# Altium PCB vme64x6U_ctrlc.PcbDoc (part 15 of 16)
Units mm, origin at the board's own origin, x right, y up, seen from the top; angles counter-clockwise.
Board outline 440 x 340 mm, 6 copper layers (TopLayer, PlaneGnd, PlanePwr, MidLayer3, MidLayer4, BottomLayer); 407 components, 1301 nets, 2174 pads, 980 vias.
Unrouted connection lines stored in the file: 264.
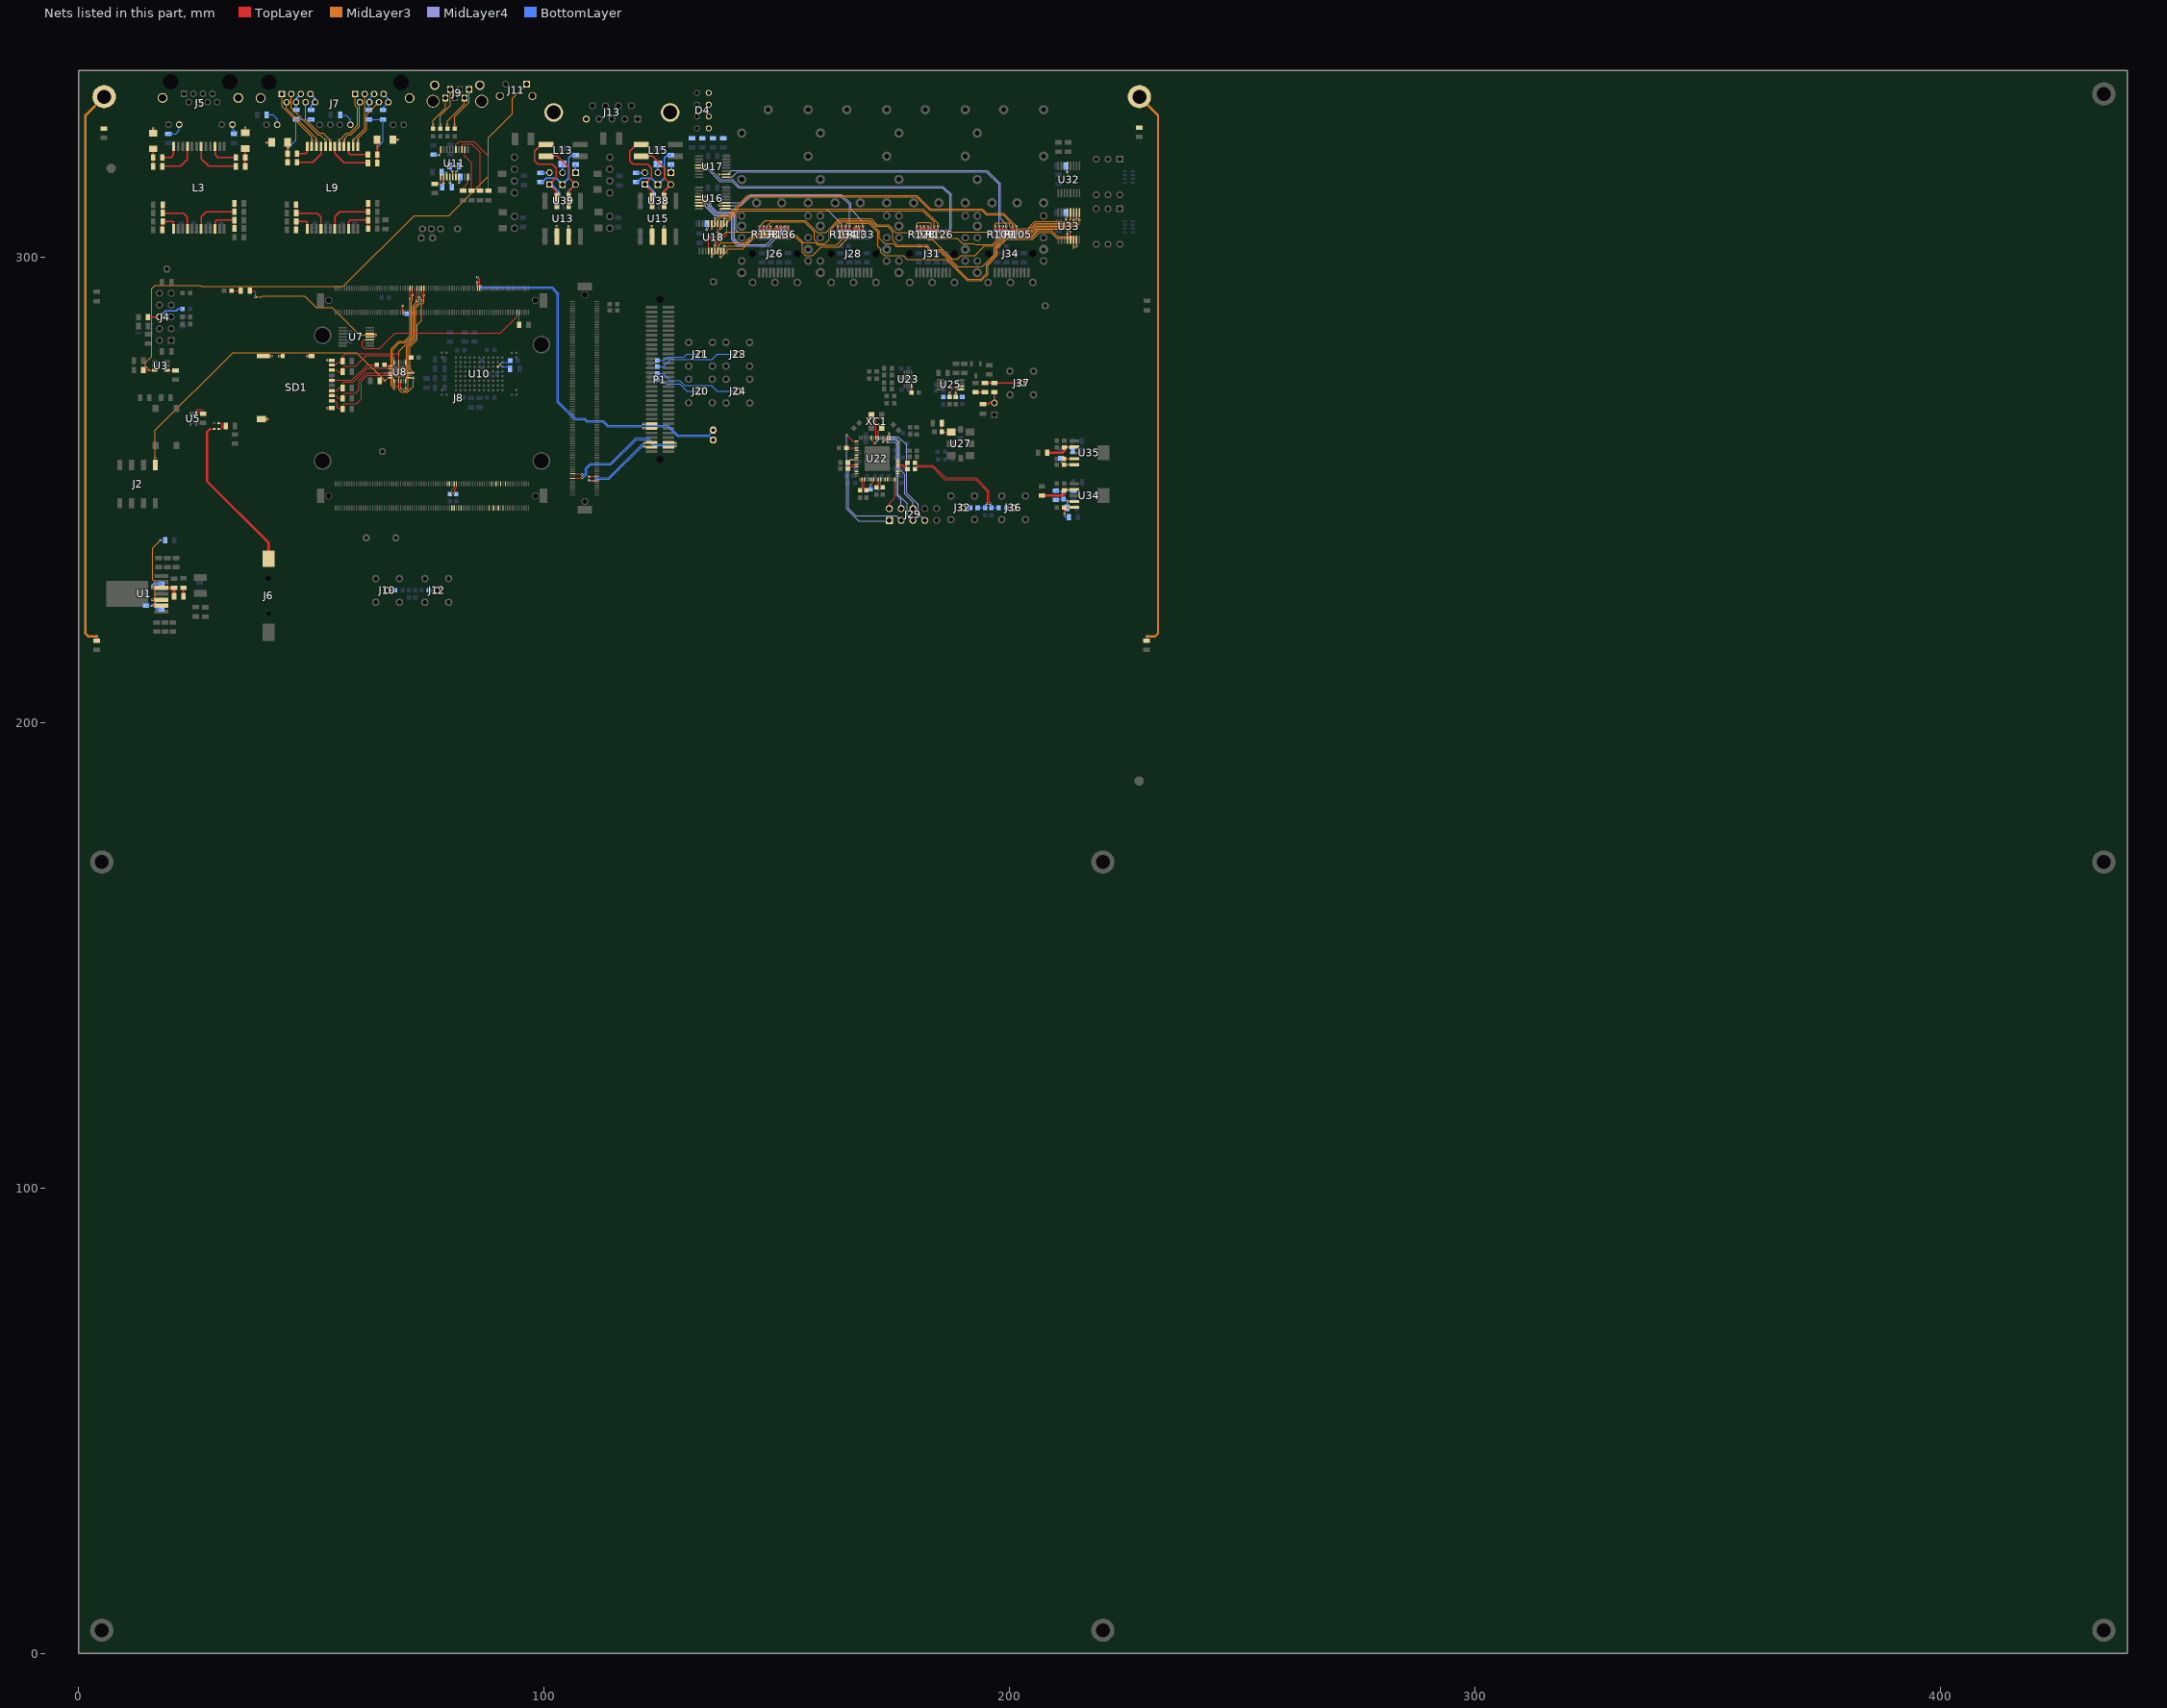
[diagram p19: the nets of this part, all layers, seen from the top]

## Via types
v1: diameter 0.5, hole 0.2, TopLayer to BottomLayer, tented both sides, 980 vias

## Nets (pads, with @x,y where several pads share a name; then routed paths per layer and width w, separated by ;. In a path a pad name is that pad's centre, name@x,y a point inside that pad or via, vN(x,y) a via of type N, cw(c..) or ccw(c..) an arc to the next point about the centre after c; other vN are vias at no path point) (continued)
MGND: C4.1 C22.1 C23.2 C28.1 J5.S1 J5.S2 J7.S1 J7.S2 J9.0 J11.0 J13.5 J13.S1 J13.S2 pad.0@5.5,334.4 pad.0@227.85,334.4 R2.1 R3.1 R79.1 R80.1 | length 245.5
  TopLayer w0.3: R2.1@3.925,217.55 v1(3.925,218.425) ; C4.1@16.035,326.585 v1(16.035,327.685) ; C22.1@35.81,326.635 v1(35.81,327.735) ; v1(40.4,324.575) C23.2@41.5,324.575 ; C28.1@67.535,325.185 v1(68.635,325.185) ; R80.1@229.4,217.55 229.4,218.4 v1(229.425,218.425)
  MidLayer3 w0.5: v1@3.95,218.45 v1(3.925,218.425) 2.175,218.425 1.5,219.1 1.5,330.4 pad.0@5.5,334.4 ; pad.0@227.85,334.4 231.85,330.4 231.85,219.1 231.175,218.425 v1(229.425,218.425)
MGT_RX1_N: J8.B28
MGT_RX1_P: J8.B24
MGT_RX2_N: J8.B36
MGT_RX2_P: J8.B32
MGT_RX6N: J8.B62
MGT_RX6P: J8.B60
MGT_RX7N: J8.B68
MGT_RX7P: J8.B66
MGT_RX8.IO_N: J8.C20 P1.5 | length 28.7
  TopLayer w0.15: J8.C20@106.125,253.4 107.5,253.4 107.665,253.235 v1(108.175,253.235) ; P1.5@126.7,260.15 128.175,260.15 v1(128.327,259.998)
  BottomLayer w0.15: v1(108.175,253.235) 108.348,253.062 108.525,253.062 108.875,253.413 108.875,254.635 109.89,255.65 114.275,255.65 119.7,261.075 122.335,261.075 123.585,259.825 128.153,259.825 v1(128.327,259.998)
MGT_RX8.IO_P: J8.C16 P1.3 | length 28.7
  TopLayer w0.15: J8.C16@106.125,252.4 107.55,252.4 107.715,252.565 v1(108.175,252.565) ; P1.3@126.7,259.15 128.153,259.15 v1(128.327,259.323)
  BottomLayer w0.15: v1(108.175,252.565) 108.348,252.737 108.66,252.737 109.2,253.278 109.2,254.5 110.025,255.325 114.41,255.325 119.835,260.75 122.2,260.75 123.45,259.5 128.15,259.5 v1(128.327,259.323)
MGT_TX1_N: J8.B25
MGT_TX1_P: J8.B21
MGT_TX2_N: J8.B33
MGT_TX2_P: J8.B29
MGT_TX6_N: C185.2 J8.B63 | length 2.3
  TopLayer w0.25: v1(80.773,249.175) 80.65,249.297 80.65,249.761 81.138,250.249 81.138,250.537 81.175,250.575 J8.B63@81.175,251.25
MGT_TX6_P: C188.2 J8.B65 | length 2.4
  TopLayer w0.25: v1(80.103,249.175) 80.225,249.297 80.225,249.938 80.713,250.425 80.713,250.538 80.675,250.575 J8.B65@80.675,251.25
  MidLayer3 w0.25: v1(80.103,249.175) v1@80.186,249.175
MGT_TX7N: J8.B71
MGT_TX7P: J8.B69
MGT_TX8.IO_N: J8.C17 P1.6 | length 18.8
  TopLayer w0.15: v1(109.575,252.735) 109.59,252.75 110,252.75 110.15,252.9 J8.C17@111.325,252.9 ; v1(121.476,259.973) 121.653,260.15 P1.6@123.1,260.15
  BottomLayer w0.15: v1(109.575,252.735) 109.735,252.895 110.73,252.895 111.063,252.562 113.863,252.562 121.1,259.8 121.45,259.8 121.476,259.826 v1(121.476,259.973)
MGT_TX8.IO_P: J8.C13 P1.4 | length 18.8
  TopLayer w0.15: v1(109.575,252.065) 109.59,252.05 110,252.05 110.15,251.9 J8.C13@111.325,251.9 ; v1(121.476,259.298) 121.625,259.15 P1.4@123.1,259.15
  BottomLayer w0.15: v1(109.575,252.065) 109.735,251.905 110.73,251.905 111.063,252.237 113.997,252.237 121.235,259.475 121.45,259.475 121.476,259.449 v1(121.476,259.298)
ModDef_SFP0: J26.6 R138.8 U16.5 | length 27.1
  TopLayer w0.15: U16.5@133.255,312.275 v1(134.45,312.275) v1@134.455,312.275
  TopLayer w0.3: v1(148.68,306.595) 148.68,306.195 148.975,305.9 J26.6@148.975,304.8
  MidLayer4 w0.15: v1(134.45,312.275) 134.9,312.275 135.57,311.605 135.57,310.76 136.845,309.485 140.162,309.485 140.89,308.757 140.89,303.935 141.825,303 143.675,303 145.7,305.025 147.525,305.025 148.68,306.18 v1(148.68,306.595)
  BottomLayer w0.15: R138.8@148.68,305.7 v1(148.68,306.595)
ModDef_SFP1: J28.6 R134.8 U16.10 | length 38.4
  TopLayer w0.15: v1(137.6,310.975) U16.10@138.95,310.975
  TopLayer w0.3: v1(165.555,306.595) 165.555,306.195 165.85,305.9 J28.6@165.85,304.8
  MidLayer4 w0.15: v1(137.6,310.975) 142.4,310.975 144.525,313.1 163.675,313.1 165.555,311.22 v1(165.555,306.595)
  BottomLayer w0.15: R134.8@165.555,305.7 v1(165.555,306.595)
ModDef_SFP2: J31.6 R128.8 U17.5 | length 71.5
  TopLayer w0.15: U17.5@133.255,319.05 v1(134.45,319.05) v1@134.455,319.05
  TopLayer w0.3: v1(182.43,306.595) 182.43,306.195 182.725,305.9 J31.6@182.725,304.8
  MidLayer4 w0.15: v1(134.45,319.05) 134.875,319.05 137.705,316.22 140.392,316.22 141.742,314.87 185.517,314.87 187.15,313.237 187.15,307.138 187.145,307.133 187.145,306.117 186.778,305.75 183.275,305.75 v1(182.43,306.595)
  BottomLayer w0.15: R128.8@182.43,305.7 v1(182.43,306.595)
ModDef_SFP3: J34.6 R109.8 U17.10 | length 75.7
  TopLayer w0.15: v1(137.6,317.75) U17.10@138.95,317.75
  TopLayer w0.3: v1(199.305,306.595) 199.305,306.195 199.6,305.9 J34.6@199.6,304.8
  MidLayer4 w0.15: v1(137.6,317.75) 139.5,317.75 140.32,318.57 195.108,318.57 198.025,315.653 198.025,308.225 199.305,306.945 v1(199.305,306.595)
  BottomLayer w0.15: R109.8@199.305,305.7 v1(199.305,306.595)
MX0: 
MX0_Host2i: 
MX0i: 
MX1: 
MX1_Host2i: 
MX1i: 
MX2: 
MX2_Host2i: 
MX2i: 
NetC2_2: 
NetC4_1: 
NetC4_2: C4.2 R12.1 R13.1 | length 3.8
  TopLayer w0.3: R12.1@16.035,319.435 R13.1@16.035,321.335 16.035,322.885 C4.2@16.26,323.11
NetC5_1: 
NetC5_2: C5.2 L3.1 L7.1@18.06,307.585 | length 5.7
  TopLayer w0.3: C5.2@18.035,305.785 18.035,307.56 L7.1@18.06,307.585 20.275,307.585 20.41,307.45 L3.1@20.41,306
NetC6_2: C6.2 L2.1 L3.4 | length 10
  TopLayer w0.3: C6.2@18.06,311.185 L2.1@18.06,309.385 22.56,309.385 23.38,308.565 L3.4@23.38,306
NetC7_1: 
NetC12_2: 
NetC13_1: C13.1 R17.2 | length 1.8
  TopLayer w0.3: R17.2@22.56,228.935 22.56,227.16 C13.1@22.61,227.11
NetC13_2: C13.2 R16.2 R194.1 U1.5 | length 9.2
  TopLayer w0.5: v1(15.82,228.88) U1.5@17.76,228.88
  TopLayer w0.6: U1.5@17.76,228.88 17.76,228.885 R16.2@20.535,228.885 C13.2@20.535,227.11
  BottomLayer w0.5: v1(15.82,228.88) 15.82,229.445 16.135,229.76 R194.1@17.785,229.76
NetC14_1: C14.1 U3.4 | length 1.8
  TopLayer w0.25: U3.4@19.035,275.635 20.84,275.635 C14.1@20.85,275.625
NetC20_2: C20.2 L3.10 L5.1 | length 7.6
  TopLayer w0.3: L3.10@29.32,306 29.32,307.495 29.71,307.885 L5.1@33.51,307.885 C20.2@33.51,306.085
NetC21_2: C21.2 L3.7 L6.1 | length 12
  TopLayer w0.3: L3.7@26.35,306 26.35,308.65 27.385,309.685 L6.1@33.51,309.685 C21.2@33.51,311.485
NetC22_2: C22.2 R23.1 R24.1 | length 3.6
  TopLayer w0.3: C22.2@35.585,322.985 35.81,322.76 R24.1@35.81,321.335 R23.1@35.81,319.435
NetC23_1: C23.1 R26.1 R27.1 R183.2 R184.2 | length 14.7
  TopLayer w0.3: R26.1@44.91,320.31 R27.1@44.91,322.16 C23.1@44.91,324.425
  BottomLayer w0.25: v1(44.925,323.275) 46.76,325.11 R184.2@46.76,329.56 46.785,329.535 R183.2@49.96,329.535 ; R183.2@49.96,329.41 R183.2@50.085,329.535
  BottomLayer w0.3: R183.2@49.96,329.535 R183.2@50.085,329.535
NetC24_2: C24.2 L7.1@46.755,307.585 L9.1 | length 5.7
  TopLayer w0.3: C24.2@46.75,305.775 46.755,305.78 L7.1@46.755,307.585 48.97,307.585 49.105,307.45 L9.1@49.105,306
NetC25_1: 
NetC25_2: C25.2 L8.1 L9.4 | length 10
  TopLayer w0.3: C25.2@46.75,311.2 46.755,311.195 L8.1@46.755,309.385 51.255,309.385 52.075,308.565 L9.4@52.075,306
NetC26_1: 
NetC26_2: C26.2 L9.10 L10.1 | length 7.7
  TopLayer w0.25: C26.2@62.2,306.075 62.2,307.88 L10.1@62.205,307.885
  TopLayer w0.3: L9.10@58.015,306 58.015,307.495 58.405,307.885 L10.1@62.205,307.885
NetC27_1: 
NetC27_2: C27.2 L9.7 L11.1 | length 12.1
  TopLayer w0.25: C27.2@62.2,311.5 62.2,309.69 L11.1@62.205,309.685
  TopLayer w0.3: L9.7@55.045,306 55.045,308.65 56.08,309.685 L11.1@62.205,309.685
NetC28_2: C28.2 R33.1 R34.1 R178.2 R179.2 | length 14.7
  TopLayer w0.3: C28.2@64.135,325.185 64.16,325.16 v1(64.16,323.46) R34.1@64.16,321.985 R33.1@64.16,320.16
  BottomLayer w0.25: R179.2@62.335,329.535 R178.2@65.41,329.535 65.41,324.71 v1(64.16,323.46)
NetC31_2: 
NetC42_1: 
NetC44_2: 
NetC45_1: 
NetC47_2: 
NetC48_1: 
NetC48_2: 
NetC52_2: 
NetC53_2: C53.2 R70.1 | length 2
  TopLayer w0.3: C53.2@192.675,270.9 R70.1@194.7,270.9
NetC55_2: C55.2 U35.4 | length 2.2
  TopLayer w0.3: C55.2@211.7,256.613 U35.4@213.875,256.613
NetC60_2: 
NetC63_1: 
NetC65_2: 
NetC67_1: 
NetC68_1: 
NetC72_DCP_D+_2: 
NetC72_DCP_D-_2: 
NetC72_DCP_H-_2: 
NetC72_DCP_i+_2: 
NetC72_DCP_i-_2: 
NetC72_DCP_S+_2: 
NetC72_DCP_S-_2: 
NetC74_DCP_D+_2: 
NetC74_DCP_D-_2: 
NetC74_DCP_H-_2: 
NetC74_DCP_i+_2: 
NetC74_DCP_i-_2: 
NetC74_DCP_S+_2: 
NetC74_DCP_S-_2: 
NetC77_1: C77.1 R91.2 R96.1 U34.4 | length 5.7
  TopLayer w0.15: v1(212.507,247.455) U34.4@213.875,247.455
  BottomLayer w0.25: R96.1@209.923,247.775 210.725,247.775 210.925,247.975 211.498,247.975 C77.1@211.523,247.95 212.05,247.95 212.507,247.493 v1(212.507,247.455) 212.507,247.107 212.325,246.925 R91.2@212.325,246.1
NetC165_2: C165.2 J18.2 | length 1.9
  BottomLayer w0.3: J18.2@124.425,318.07 C165.2@124.425,319.925
NetC170_2: C170.2 J15.2 | length 1.9
  BottomLayer w0.3: J15.2@103.95,318.07 C170.2@103.95,319.925
NetC175_2: C175.2 C176.1 U10.E4 | length 5.3
  TopLayer w0.15: U10.E4@90.05,276.375 v1(90.55,276.875)
  BottomLayer w0.15: C176.1@92.45,277.375 91.05,277.375 v1(90.55,276.875) 91.05,276.375 C175.2@92.825,276.375
NetC181_1: C181.1 U11.7 | length 2.4
  TopLayer w0.25: v1(81.685,316.01) U11.7@81.685,317.16
  BottomLayer w0.25: v1(81.685,316.01) 81.985,316.31 C181.1@81.985,317.16
NetC184_1: C184.1 U11.6 | length 2.6
  TopLayer w0.25: U11.6@81.035,317.16 v1@81.035,318.31
  BottomLayer w0.25: v1(81.16,318.36) 81.71,318.91 C184.1@81.71,319.56
NetC184_2: C184.2 U11.5 | length 2.6
  TopLayer w0.25: U11.5@80.385,317.16 v1@80.385,318.31
  BottomLayer w0.25: C184.2@79.71,319.56 79.71,318.91 v1(80.26,318.36)
NetC186_1: C186.1 U11.4 | length 2.3
  TopLayer w0.25: v1(79.735,316.01) U11.4@79.735,317.16
  BottomLayer w0.25: v1(79.735,316.01) 80.135,315.61 C186.1@80.135,315.01
NetC186_2: C186.2 U11.2 | length 2.3
  TopLayer w0.25: v1(78.435,316.01) U11.2@78.435,317.16
  BottomLayer w0.25: C186.2@78.135,315.01 78.135,315.71 v1(78.435,316.01)
NetC190_1: C190.1 U11.3 | length 2.1
  TopLayer w0.25: U11.3@79.085,317.16 v1(79.085,318.135)
  BottomLayer w0.25: C190.1@77.985,318.185 78.035,318.135 v1(79.085,318.135)
NetC208_2: 
NetC209_2: 
NetC210_1: 
NetC211_1: 
NetC214_2: 
NetC222_2: C222.2 U1.3 | length 5.6
  TopLayer w0.5: v1(15.82,226.34) U1.3@17.76,226.34
  BottomLayer w0.3: v1(15.82,226.34) 16.43,226.34 16.585,226.185 16.585,224.71 17.01,224.285 C222.2@17.785,224.285
NetC225_1: C225.1 R192.1 U1.2 | length 19.5
  TopLayer w0.5: v1(15.82,225.07) U1.2@17.76,225.07
  MidLayer3 w0.25: v1(15.82,225.07) 16.45,225.7 16.45,230.15 15.95,230.65 15.95,237.475 v1(17.575,239.1)
  BottomLayer w0.25: C225.1@14.5,225.05 15.8,225.05 v1(15.82,225.07) ; v1(17.575,239.1) R192.1@18.6,239.1
NetC239_1: 
NetC240_1: 
NetC241_1: 
NetC242_1: 
NetC243_1: 
NetC244_1: 
NetC244_2: 
NetC255_2: 
NetC258_2: 
NetC259_2: 
NetC260_1: 
NetC260_2: 
NetD1_1: D1.1 J6.1 | length 34.6
  TopLayer w0.25: 28.26,263.035 D1.1@29.13,263.035
  TopLayer w0.5: 28.26,263.035 27.575,262.35 27.575,251.825 40.85,238.55 J6.1@40.85,235.13
NetD1_2: D1.2 D2.2 R22.2 | length 3.2
  TopLayer w0.25: D1.2@30.09,263.035 30.585,263.035 30.825,263.275 30.825,263.65 ; D2.2@30.09,264.285 30.59,264.285 30.825,264.05 30.825,263.65 ; R22.2@31.61,263.635 30.84,263.635 30.825,263.65
NetD3_2: D3.2 R25.2 | length 1.9
  TopLayer w0.25: D3.2@32.865,292.71 R25.2@34.815,292.71
NetD4_1: D4.1 R146.2
NetD4_3: D4.3 R145.2
NetD4_5: D4.5 R141.2
NetD4_7: D4.7 R143.2
NetD6_2: 
NetD7_1: 
NetD8_1: 
NetD9_2: 
NetD10_2: 
NetD11_2: 
NetD12_1: 
NetD13_1: 
NetD14_2: 
NetD15_1: 
NetD16_2: 
NetD18_1: 
NetD19_2: 
NetD20_1: 
NetD21_2: 
NetD22_1: 
NetD23_2: 
NetD24_1: 
NetD25_1: 
NetD26_2: 
NetD27_2: 
NetD28_1: 
NetD29_2: 
NetD30_2: 
NetJ5_10: J5.10 R193.2 | length 3.9
  BottomLayer w0.25: R193.2@19.275,326.4 20.85,326.4 21.62,327.17 J5.10@21.62,328.415
NetJ5_12: J5.12 R186.2 | length 2.1
  BottomLayer w0.25: J5.12@33.05,328.415 33.05,327.55 33.375,327.225 R186.2@33.375,326.45
NetJ7_1A: J7.1A L9.17 | length 13.5
  TopLayer w0.3: L9.17@56.035,323.7 v1(56.035,325.065)
  MidLayer3 w0.25: v1(56.035,325.065) 57.58,326.61 58.285,326.61 59.935,328.26 59.935,331.96 59.415,332.48 J7.1A@59.415,334.985
NetJ7_1B: J7.1B L9.23 | length 13.9
  TopLayer w0.3: L9.23@50.095,323.7 v1(50.095,325.065)
  MidLayer3 w0.25: J7.1B@43.665,334.985 43.665,332.255 50.095,325.825 v1(50.095,325.065)
NetJ7_2A: J7.2A L9.16 | length 11.2
  TopLayer w0.3: L9.16@57.025,323.7 v1(57.025,325.065)
  MidLayer3 w0.25: v1(57.025,325.065) 57.025,325.3 57.915,326.19 58.459,326.19 60.355,328.086 60.355,333.125 J7.2A@60.435,333.205
NetJ7_2B: J7.2B L9.22 | length 12.2
  TopLayer w0.3: L9.22@51.085,323.7 v1(51.085,325.065)
  MidLayer3 w0.25: J7.2B@44.685,333.205 44.685,331.829 51.085,325.429 v1(51.085,325.065)
NetJ7_3A: J7.3A L9.14 | length 12.3
  TopLayer w0.3: L9.14@59.005,323.7 v1(59.005,325.065)
  MidLayer3 w0.25: v1(59.005,325.065) 61.455,327.515 J7.3A@61.455,334.985
NetJ7_3B: J7.3B L9.20 | length 14.6
  TopLayer w0.3: L9.20@53.065,323.7 v1(53.065,325.065)
  MidLayer3 w0.25: J7.3B@45.705,334.985 45.705,332.015 51.51,326.21 51.92,326.21 v1(53.065,325.065)
NetJ7_4A: J7.4A J7.5A R179.1 | length 3.9
  BottomLayer w0.25: R179.1@62.335,331.535 62.335,333.825 J7.5A@63.495,334.985
NetJ7_4B: J7.4B J7.5B R184.1 | length 3.9
  BottomLayer w0.3: R184.1@46.76,331.56 46.725,331.595 J7.4B@46.725,333.205 46.725,333.965 J7.5B@47.745,334.985
NetJ7_6A: J7.6A L9.13 | length 11.4
  TopLayer w0.3: L9.13@59.995,323.7 v1(59.995,325.065)
  MidLayer3 w0.25: v1(59.995,325.065) 59.995,325.461 61.875,327.341 61.875,330.565 J7.6A@64.515,333.205
NetJ7_6B: J7.6B L9.19 | length 12.2
  TopLayer w0.3: L9.19@54.055,323.7 v1(54.055,325.065)
  MidLayer3 w0.25: J7.6B@48.765,333.205 48.765,329.549 51.654,326.66 52.46,326.66 v1(54.055,325.065)
NetJ7_7A: J7.7A J7.8A R178.1 | length 4.3
  BottomLayer w0.25: R178.1@65.41,331.535 65.41,332.06 J7.8A@66.555,333.205 66.555,333.965 J7.7A@65.535,334.985
NetJ7_7B: J7.7B J7.8B R183.1 | length 4.2
  BottomLayer w0.3: J7.7B@49.785,334.985 50.805,333.965 J7.8B@50.805,333.205 49.96,332.36 R183.1@49.96,331.535
NetJ7_10A: J7.10A R180.2 | length 3.8
  BottomLayer w0.25: R180.2@56.175,330.475 57.45,330.475 58.405,329.52 J7.10A@58.405,328.375
NetJ7_10B: J7.10B R185.2 | length 3.9
  BottomLayer w0.25: R185.2@40.385,330.485 41.79,330.485 42.655,329.62 J7.10B@42.655,328.375
NetJ8_A110: J8.A110 R176.1 | length 3.6
  TopLayer w0.15: J8.A110@69.675,288.05 v1(69.675,289.4)
  BottomLayer w0.15: v1(69.675,289.4) 69.675,288.075 69.95,287.8 R176.1@70.5,287.8
NetJ9_1: J9.1 R42.2 | length 9.7
  TopLayer w0.25: R42.2@80.835,327.503 v1(80.835,328.41)
  MidLayer3 w0.15: v1(80.835,328.41) 80.835,330.135 83.9,333.2 J9.1@83.9,335.928
NetJ9_2: J9.2 R41.2 | length 8.1
  TopLayer w0.25: R41.2@79.26,327.503 v1(79.26,328.41)
  MidLayer3 w0.15: v1(79.26,328.41) 79.26,329.16 82.88,332.78 J9.2@82.88,334.148
NetJ9_5: J9.5 R40.2 | length 9.3
  TopLayer w0.25: R40.2@77.685,327.503 v1(77.685,328.41)
  MidLayer3 w0.15: v1(77.685,328.41) 77.66,328.435 77.66,330.36 79.82,332.52 J9.5@79.82,335.928
NetJ9_6: J9.6 R38.2 | length 7.8
  TopLayer w0.25: R38.2@76.11,327.503 v1(76.11,328.41)
  MidLayer3 w0.15: v1(76.11,328.41) 76.11,329.335 78.8,332.025 J9.6@78.8,334.148
NetJ10_1: J10.1 R162.1 | length 1.7
  BottomLayer w0.25: J10.1@66.375,228.35 R162.1@68.025,228.35
NetJ11_1: J11.1 R7.2 U3.3 | length 126.5
  TopLayer w0.25: R7.2@13.925,275.675 15.22,275.675 v1(15.26,275.635) U3.3@16.335,275.635
  MidLayer3 w0.25: v1(15.26,275.635) 14.4,276.495 14.4,277.35 15.675,278.625 15.675,293.1 16.425,293.85 26.15,293.85 26.385,293.615 54.89,293.615 56.865,293.615 72.075,308.825 79.575,308.825 88.025,317.275 88.025,325.575 93.225,330.775 93.225,334.075 J11.1@96.235,337.085
NetJ12_1: J12.1 R159.1 | length 1.7
  BottomLayer w0.25: R159.1@75.25,228.35 J12.1@76.95,228.35
NetJ14_1: J14.1 L13.2 U13.7 U39.1 | length 22.1
  TopLayer w0.3: L13.2@100.375,324.125 99.375,324.125 97.925,322.675 97.925,320.575 98.65,319.85 101.725,319.85 102.55,319.025 102.55,316.955 J14.1@101.15,315.555 102.726,313.979 U13.7@102.726,311.92
  BottomLayer w0.3: J14.1@101.15,315.555 101.52,315.555 103.2,313.875 U39.1@103.2,313.325
NetJ14_2: J14.2 R158.2 | length 1.9
  BottomLayer w0.3: R158.2@99.25,318.075 101.13,318.075 J14.2@101.15,318.095
NetJ15_1: J15.1 R155.2 R158.1 | length 13.6
  BottomLayer w0.3: R158.1@99.25,316.075 99.625,316.075 100.425,316.875 102.605,316.875 J15.1@103.95,315.53 105.325,316.905 105.325,321.25 105.925,321.85 R155.2@106.75,321.85
NetJ16_1: J16.1 R155.1 | length 1.8
  BottomLayer w0.3: J16.1@106.75,318.07 R155.1@106.75,319.85
NetJ16_2: J16.2 L13.3 U13.6 U39.2 | length 17.3
  TopLayer w0.3: L13.3@100.375,321.625 102.75,321.625 105.35,319.025 105.35,316.93 J16.2@106.75,315.53 105.276,314.056 U13.6@105.276,311.92
  BottomLayer w0.3: U39.2@105.1,313.325 105.1,313.95 106.68,315.53 J16.2@106.75,315.53
NetJ17_1: J17.1 L15.2 U15.7 U38.1 | length 22.1
  TopLayer w0.3: L15.2@120.85,324.125 119.85,324.125 118.4,322.675 118.4,320.575 119.125,319.85 122.2,319.85 123.025,319.025 123.025,316.955 J17.1@121.625,315.555 123.201,313.979 U15.7@123.201,311.92
  BottomLayer w0.3: J17.1@121.625,315.555 121.995,315.555 123.675,313.875 U38.1@123.675,313.325
NetJ17_2: J17.2 R154.2 | length 1.9
  BottomLayer w0.3: R154.2@119.725,318.075 121.605,318.075 J17.2@121.625,318.095
NetJ18_1: J18.1 R147.2 R154.1 | length 13.6
  BottomLayer w0.3: R154.1@119.725,316.075 120.1,316.075 120.9,316.875 123.08,316.875 J18.1@124.425,315.53 125.8,316.905 125.8,321.25 126.4,321.85 R147.2@127.225,321.85
NetJ19_1: J19.1 R147.1 | length 1.8
  BottomLayer w0.3: J19.1@127.225,318.07 R147.1@127.225,319.85
NetJ19_2: J19.2 L15.3 U15.6 U38.2 | length 17.3
  TopLayer w0.3: L15.3@120.85,321.625 123.225,321.625 125.825,319.025 125.825,316.93 J19.2@127.225,315.53 125.751,314.056 U15.6@125.751,311.92
  BottomLayer w0.3: U38.2@125.575,313.325 125.575,313.95 127.155,315.53 J19.2@127.225,315.53
NetJ20_1: J20.1 R149.1 | length 10.3
  BottomLayer w0.25: R149.1@124.325,273.65 125.3,273.65 126.225,272.725 129.15,272.725 130.7,271.175 J20.1@133.575,271.175
NetJ21_1: J21.1 R152.1 | length 9.8
  BottomLayer w0.25: R152.1@124.325,277.75 125.7,277.75 126.4,278.45 130.025,278.45 130.65,279.075 J21.1@133.6,279.075
NetJ23_1: J23.1 R151.1 | length 18.4
  BottomLayer w0.25: R151.1@124.325,276.375 125.625,276.375 127.2,277.95 136.05,277.95 137.175,279.075 J23.1@141.6,279.075
NetJ24_1: J24.1 R150.1 | length 18.9
  BottomLayer w0.25: R150.1@124.325,275 125.475,275 127.075,273.4 129.125,273.4 130.175,272.35 136,272.35 137.2,271.15 J24.1@141.625,271.15
NetJ29_35: 
NetJ29_39: 
NetJ29_47: 
NetJ29_51: 
NetJ29_55: 
NetJ32_1: J32.1 R116.2 | length 1.6
  BottomLayer w0.3: J32.1@189.9,246.1 R116.2@191.525,246.1
NetJ32_3: 
NetJ32_7: 
NetJ32_11: 
NetJ32_15: 
NetJ32_19: 
NetJ32_23: 
NetJ32_27: 
NetJ32_31: 
NetJ32_34: 
NetJ32_35: 
NetJ32_38: 
NetJ32_39: 
NetJ32_42: 
NetJ32_46: 
NetJ32_47: 
NetJ32_50: 
NetJ32_51: 
NetJ32_54: 
NetJ32_58: 
NetJ32_59: 
NetJ32_62: 
NetJ32_63: 
NetJ34_3: 
NetJ34_7: 
NetJ34_11: 
NetJ34_15: 
NetJ34_19: 
NetJ34_23: 
NetJ34_27: 
NetJ34_31: 
NetJ34_34: 
NetJ34_35: 
NetJ34_38: 
NetJ34_39: 
NetJ34_42: 
NetJ34_43: 
NetJ34_46: 
NetJ34_47: 
NetJ34_50: 
NetJ34_51: 
NetJ34_54: 
NetJ34_55: 
NetJ34_58: 
NetJ34_59: 
NetJ34_62: 
NetJ34_63: 
NetJ35_2: J35.2 R69.2 R72.1 | length 4.8
  TopLayer w0.3: R69.2@194.275,268.325 195.35,268.325 195.64,268.615 J35.2@196.7,268.615 R72.1@196.7,270.9
NetJ36_1: J36.1 R108.2 | length 1.6
  BottomLayer w0.25: R108.2@199.25,246.1 J36.1@200.825,246.1
NetJ36_36: 
NetJ36_40: 
NetJ36_44: 
NetJ36_48: 
NetJ36_52: 
NetJ36_56: 
NetJ36_60: 
NetJ36_64: 
NetJ37_1: J37.1 R70.2 R72.2 | length 7.9
  TopLayer w0.3: R70.2@194.7,272.9 R72.2@196.7,272.9 J37.1@202.575,272.9
NetJ37_34: 
NetJ37_38: 
NetJ37_42: 
NetJ37_46: 
NetJ37_50: 
NetJ37_54: 
NetJ37_58: 
NetJ37_62: 
NetJ38_36: 
NetJ38_40: 
NetJ38_44: 
NetJ38_48: 
NetJ38_52: 
NetJ38_56: 
NetJ38_60: 
NetJ38_64: 
NetJ39_34: 
NetJ39_38: 
NetJ39_42: 
NetJ39_46: 
NetJ39_50: 
NetJ39_54: 
NetJ39_58: 
NetJ39_62: 
NetL3_15: L3.15 R24.2 | length 6.5
  TopLayer w0.3: L3.15@29.32,323.7 29.32,321.925 29.91,321.335 R24.2@33.81,321.335
NetL3_18: L3.18 R23.2 | length 10.8
  TopLayer w0.3: L3.18@26.35,323.7 26.35,321.07 27.985,319.435 R23.2@33.81,319.435
NetL3_21: L3.21 R12.2 | length 8.7
  TopLayer w0.3: R12.2@18.035,319.435 21.91,319.435 23.38,320.905 L3.21@23.38,323.7
NetL3_24: L3.24 R13.2 | length 4.4
  TopLayer w0.3: R13.2@18.035,321.335 19.81,321.335 20.41,321.935 L3.24@20.41,323.7
NetL9_15: L9.15 R34.2 | length 5.6
  TopLayer w0.3: L9.15@58.015,323.7 58.015,322.38 58.41,321.985 R34.2@62.16,321.985
NetL9_18: L9.18 R33.2 | length 9.5
  TopLayer w0.3: L9.18@55.045,323.7 55.045,322.2 57.085,320.16 61.31,320.16 R33.2@62.16,320.16